# Altium PCB USD3.0.PcbDoc (part 2 of 3)
Units mm, origin at the board's own origin, x right, y up, seen from the top; angles counter-clockwise.
Board outline 70 x 100 mm, 4 copper layers (Layer 1, Layer 2, Layer 3, Layer 4), stack 0.566 mm thick; 249 components, 168 nets, 1040 pads, 789 vias.
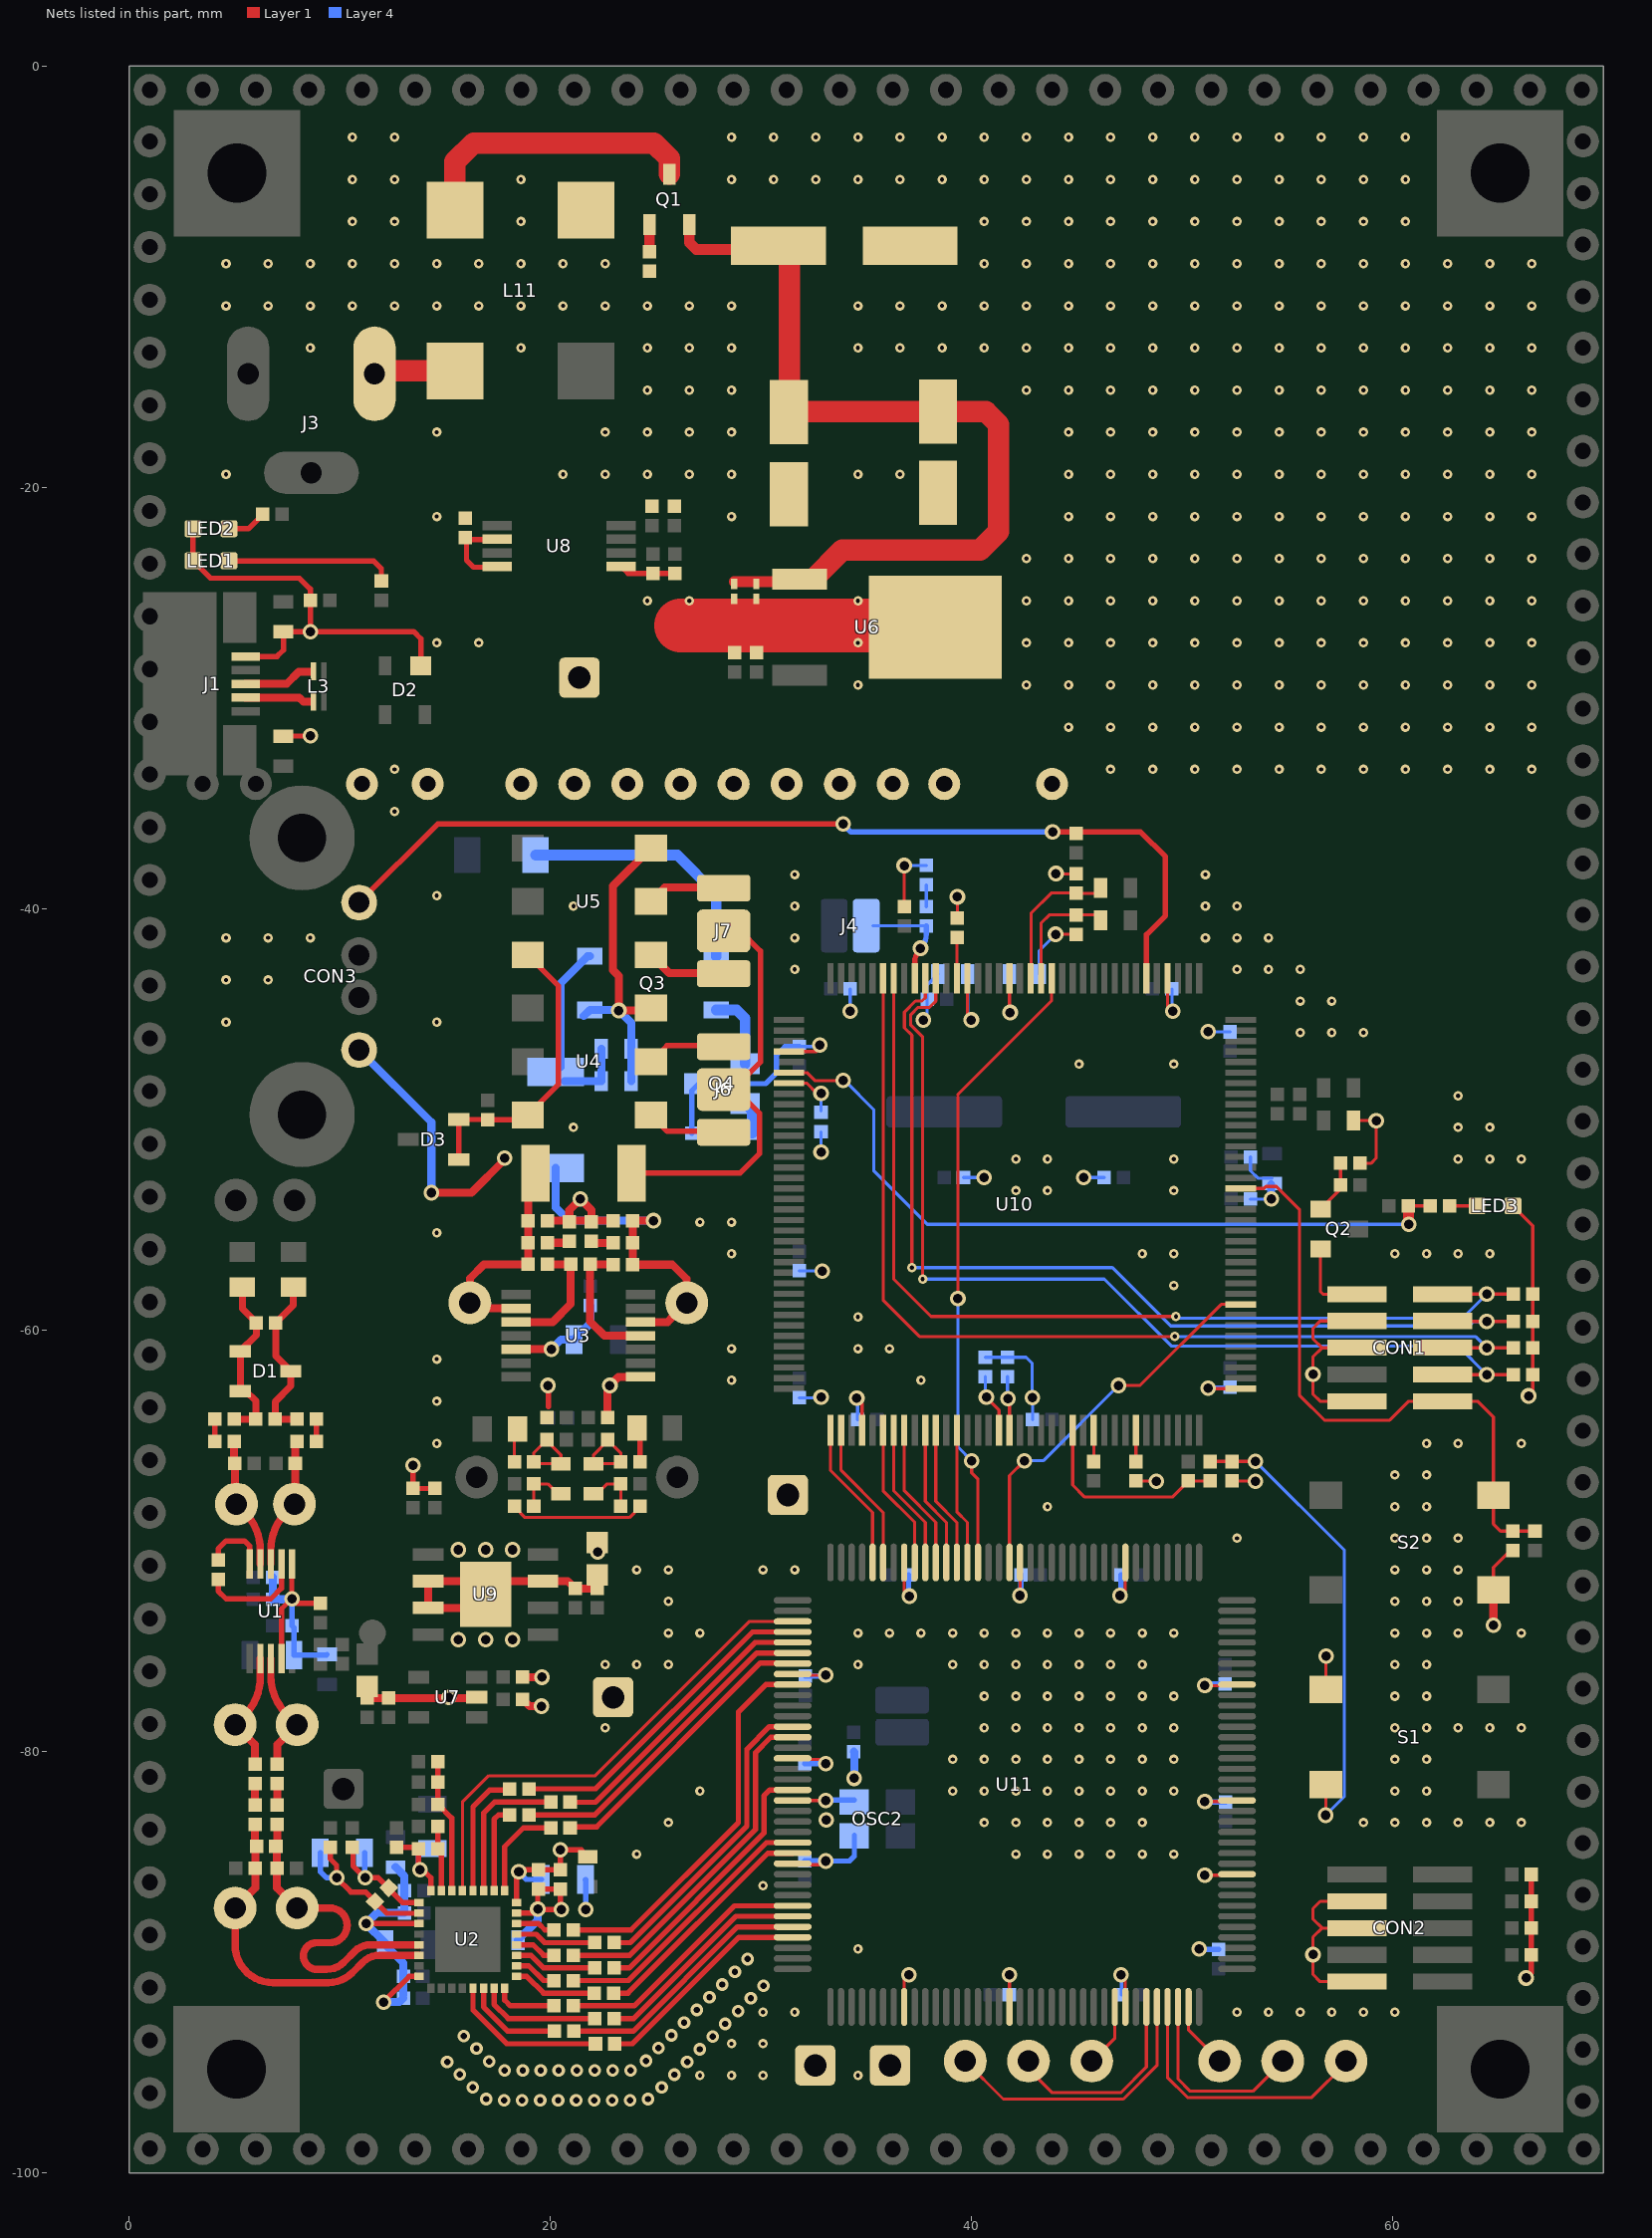
[diagram p4: the nets of this part, all layers, seen from the top]

## Via types
v1: diameter 0.45, hole 0.2, Layer 1 to Layer 4, 335 vias
v2: diameter 0.737, hole 0.45, Layer 1 to Layer 4, 194 vias
v3: diameter 0.45, hole 0.2, Layer 1 to Layer 4, tented both sides, 182 vias
v4: diameter 0.6, hole 0.3, Layer 1 to Layer 4, 42 vias
v5: diameter 0.75, hole 0.45, Layer 1 to Layer 4, tented both sides, 13 vias
v6: diameter 0.75, hole 0.45, Layer 1 to Layer 4, 13 vias
v7: diameter 0.737, hole 0.45, Layer 1 to Layer 4, tented both sides, 5 vias
v8: diameter 0.5, hole 0.2, Layer 1 to Layer 4, 4 vias
v9: diameter 0.75, hole 0.45, Layer 1 to Layer 4, tented bottom, 1 vias

## Nets (pads, with @x,y where several pads share a name; then routed paths per layer and width w, separated by ;. In a path a pad name is that pad's centre, name@x,y a point inside that pad or via, vN(x,y) a via of type N, cw(c..) or ccw(c..) an arc to the next point about the centre after c; other vN are vias at no path point)
ADC0: R70.2 U11.141 | length 10.5
  Layer 1 w0.254: R70.2@23.06,-93.875 23.9,-93.875 28.95,-88.825 U11.141@31.5,-88.825
ADC1: R71.2 U11.140 | length 12.4
  Layer 1 w0.254: R71.2@21.11,-93.275 23.929,-93.275 28.879,-88.325 U11.140@31.5,-88.325
ADC2: R72.2 U11.139 | length 10.5
  Layer 1 w0.254: R72.2@23.035,-92.675 23.957,-92.675 28.807,-87.825 U11.139@31.5,-87.825
ADC3: R73.2 U11.138 | length 12.4
  Layer 1 w0.254: R73.2@21.085,-92.075 23.986,-92.075 28.736,-87.325 U11.138@31.5,-87.325
ADC4: R74.2 U11.133 | length 11.2
  Layer 1 w0.254: R74.2@23.01,-91.475 23.682,-91.475 30.332,-84.825 U11.133@31.5,-84.825
ADC5: R75.2 U11.132 | length 13.1
  Layer 1 w0.254: R75.2@21.085,-90.875 23.71,-90.875 30.26,-84.325 U11.132@31.5,-84.325
ADC6: R76.2 U11.127 | length 13
  Layer 1 w0.254: R76.2@23.035,-90.275 23.739,-90.275 30.137,-83.877 30.137,-82.113 30.425,-81.825 U11.127@31.5,-81.825
ADC7: R77.2 U11.122 | length 16.8
  Layer 1 w0.254: R77.2@21.085,-89.675 23.768,-89.675 29.733,-83.71 29.733,-80.063 30.471,-79.325 U11.122@31.5,-79.325
ADC8: R78.2 U11.121 | length 14.8
  Layer 1 w0.254: R78.2@23.035,-89.075 23.796,-89.075 29.329,-83.542 29.329,-79.896 30.4,-78.825 U11.121@31.5,-78.825
ADC9: R79.2 U11.117 | length 18.3
  Layer 1 w0.254: R79.2@21.085,-88.475 23.825,-88.475 28.925,-83.375 28.925,-78.125 30.225,-76.825 U11.117@31.5,-76.825
ADC10: R80.2 U11.115 | length 13
  Layer 1 w0.254: R80.2@20.935,-83.575 22.2,-83.575 29.975,-75.8 U11.115@30.746,-75.8
ADC11: R81.2 U11.114 | length 15.7
  Layer 1 w0.254: R81.2@18.985,-83.008 22.117,-83.008 29.8,-75.325 U11.114@31.5,-75.325
ADC12: R82.2 U11.113 | length 13.7
  Layer 1 w0.254: R82.2@20.935,-82.392 20.952,-82.408 22.142,-82.408 29.725,-74.825 U11.113@31.5,-74.825
ADC13: R83.2 U11.112 | length 15.6
  Layer 1 w0.254: R83.2@18.985,-81.775 22.15,-81.775 29.6,-74.325 U11.112@31.5,-74.325
ADC_MODE: C26.1 R9.2 R10.1 U2.22 | length 6.3
  Layer 1 w0.254: R9.2@14.663,-80.438 R10.1@14.663,-82.513 15.313,-83.163 U2.22@15.313,-86.512
ADC_OTR: U2.21 U11.111 | length 23.4
  Layer 1 w0.15: U2.21@15.825,-86.6 15.825,-82.4 17.075,-81.15 22.125,-81.15 29.45,-73.825 U11.111@31.5,-73.825
ADC_REFB: C23.2 C24.2 C25.1 U2.25 | length 5.9
  Layer 1 w0.254: C25.1@10.603,-84.548 10.625,-84.57 10.625,-85.434 11.191,-86 v2(11.2,-86) 11.825,-86 12.3,-86.475 C23.2@12.325,-86.475 ; C23.2@12.3,-86.5 12.972,-87.172 U2.25@13.662,-87.172
  Layer 4 w0.254: C24.2@11.175,-84.8 11.175,-85.975 v2(11.2,-86)
ADC_REFT: C22.1 C23.1 C24.1 U2.26 | length 7.9
  Layer 1 w0.254: C22.1@9.553,-84.548 9.553,-85.103 9.85,-85.4 v2(9.85,-86) 10.525,-86.675 11.224,-86.675 C23.1@11.675,-87.125 12.23,-87.68 U2.26@13.662,-87.68
  Layer 4 w0.254: C24.1@9.075,-84.8 9.075,-85.7 9.375,-86 v2(9.85,-86)
ADC_SENSE: R11.1 R12.1 U2.23 | length 3.1
  Layer 1 w0.254: R12.1@14.663,-83.563 R11.1@14.663,-84.613 14.825,-84.775 U2.23@14.825,-86.6
ADC_VREF: C27.1 C28.1 R11.2 U2.24 | length 4.2
  Layer 1 w0.254: C28.1@12.703,-84.548 R11.2@13.678,-84.548 ; R11.2@13.743,-84.613 13.743,-85.546 v2(13.81,-85.613) 13.943,-85.613 14.323,-85.993 U2.24@14.323,-86.512
  Layer 4 w0.254: C27.1@13.743,-84.613 13.743,-85.546 v2(13.81,-85.613)
ADCA3V3: C14.1 C15.1 C16.1 C17.1 C18.1 L9.2 U2.27 U2.32 | length 14.2
  Layer 1 w0.254: v2(11.25,-88.175) U2.27@13.75,-88.175 ; v2(12.075,-91.9) 12.066,-91.9 13.291,-90.675 U2.32@13.75,-90.675
  Layer 4 w0.381: v2(12.075,-91.9) 12.831,-91.9 C16.1@13.018,-91.713 ; L9.2@12.65,-85.485 13.068,-85.903 C17.1@13.068,-86.613 C15.1@13.068,-87.663 11.762,-87.663 v2(11.25,-88.175) 12.153,-89.078 C14.1@12.153,-89.172 13.018,-90.037 C18.1@13.018,-90.663 C16.1@13.018,-91.572
ADCD3V3: C19.1 C20.1 C21.1 L10.2 U2.16 | length 7.3
  Layer 1 w0.254: U2.16@18.4,-87.175 v2@18.4,-85.625 ; v2@18.41,-85.615 C21.1@19.425,-85.615 C20.1@20.475,-85.615 v2(20.475,-84.675) 21.46,-84.675 L10.2@21.775,-84.99
  Layer 4 w0.254: v2(18.5,-85.7) 18.475,-85.7 18.85,-86.075 C19.1@19.575,-86.075
CLK_64MHZ: OSC2.CLK U11.128 | length 2.9
  Layer 1 w0.15: U11.128@31.5,-82.325 v2(33.075,-82.325)
  Layer 4 w0.254: v2@33.088,-82.312 OSC2.CLK@34.433,-82.312
CODING: CON3.VBUS R38.2 U10.6 | length 46.6
  Layer 1 w0.254: CON3.VBUS@10.919,-39.7 14.644,-35.975 v2(33.9,-35.975) ; v6(43.85,-36.35) 48.025,-36.35 49.202,-37.527 49.202,-40.323 48.3,-41.225 U10.6@48.3,-43.3
  Layer 4 w0.254: v2(33.9,-35.975) 34.275,-36.35 v6(43.85,-36.35)
DATA0: U10.73 U11.104 | length 7.1
  Layer 1 w0.15: U10.73@33.3,-64.75 33.3,-66.651 35.3,-68.651 U11.104@35.3,-71.025
DATA1: U10.74 U11.103 | length 7.1
  Layer 1 w0.15: U10.74@33.8,-64.75 33.8,-66.65 35.8,-68.65 U11.103@35.8,-71.025
DATA2: U10.78 U11.100 | length 6.9
  Layer 1 w0.15: U10.78@35.8,-64.75 35.8,-67.625 37.3,-69.125 U11.100@37.3,-71.025
DATA3: U10.79 U11.99 | length 6.9
  Layer 1 w0.15: U10.79@36.3,-64.75 36.3,-67.625 37.8,-69.125 U11.99@37.8,-71.025
DATA4: U10.80 U11.98 | length 6.9
  Layer 1 w0.15: U10.80@36.8,-64.75 36.8,-67.625 38.3,-69.125 U11.98@38.3,-71.025
DATA5: U10.82 U11.97 | length 6.7
  Layer 1 w0.15: U10.82@37.8,-64.75 37.8,-68.125 38.8,-69.125 U11.97@38.8,-71.025
DATA6: U10.83 U11.96 | length 6.7
  Layer 1 w0.15: U10.83@38.3,-64.75 38.3,-68.125 39.3,-69.125 U11.96@39.3,-71.025
DATA7: U10.85 U11.95 | length 6.5
  Layer 1 w0.15: U10.85@39.3,-64.75 39.3,-68.625 39.8,-69.125 U11.95@39.8,-71.025
DATACLK: U10.15 U11.94 | length 30
  Layer 1 w0.15: v2(39.35,-58.5) 39.35,-48.8 43.8,-44.35 U10.15@43.8,-43.3 ; v2(40,-66.2) 40,-66.775 40.3,-67.075 U11.94@40.3,-71.025
  Layer 4 w0.15: v2(39.35,-58.5) 39.35,-65.55 v2(40,-66.2)
DBGEN: J4.2 R41.1 U10.28 | length 5.8
  Layer 1 w0.15: v6@37.35,-41.875 v6@37.575,-41.65
  Layer 1 w0.254: U10.28@37.3,-43.3 37.3,-42.539 cw(c38.239,-42.539) v6(37.575,-41.875)
  Layer 4 w0.15: J4.2@35.322,-40.8 35.332,-40.81 R41.1@37.85,-40.81 ; v6@37.4,-41.825 37.45,-41.875 v6(37.575,-41.875)
  Layer 4 w0.254: v6@37.4,-41.825 v6@37.45,-41.875 ; v6(37.575,-41.875) ccw(c36.911,-41.211) 37.85,-41.211 R41.1@37.85,-40.81
DGND: C19.2 C20.2 C21.2 C30.2 C33.2 C34.2 C35.1 C36.1 C58.2 C59.2 C60.2 C61.2 C62.2 C63.2 C64.2 C65.2 C66.2 C67.2 C68.2 C69.2 C70.2 C71.2 C72.2 C73.2 C74.2 C75.2 C76.2 C77.2 C78.2 C79.2 C80.2 C81.2 C82.2 C83.2 C84.2 C85.2 C86.2 C87.2 CON1.GND CON1.GNDDetect CON2.GND CON2.GNDDetect CON3.GND J9.2 L12.2 L15.1 L16.2 L17.2 LED3.K OSC2.GND P2.1 P4.1 P5.1 P6.1 Q4.3 R18.2 R25.2 R30.2 R40.2 R42.2 R43.2 R44.2 R45.2 R46.2 R47.2 R49.2 R50.2 R51.2 R52.1 R53.2 R54.2 R55.2 R56.2 R59.2 R62.1 R69.1 S1.1 S2.1 U2.15 U3.5 U3.8 U10.4 U10.40 U10.76 U10.109 U11.8 U11.18 U11.29 U11.46 U11.53 U11.64 U11.80 U11.90 U11.101 U11.116 U11.124 U11.134 | length 160
  Layer 1 w0.15: U10.40@31.325,-46.775 32.625,-46.775 32.8,-46.6 v2(32.8,-46.475) ; U11.134@31.5,-85.375 32.9,-85.375 v2(33.075,-85.2) ; U11.124@31.5,-80.375 32.875,-80.375 v2(33.075,-80.575) ; U11.116@31.5,-76.375 v2(33.075,-76.375) ; v2(34.55,-63.225) 34.8,-63.475 U10.76@34.8,-64.75 ; U11.8@36.8,-92.175 v2@36.8,-90.675 ; U11.101@36.8,-71.075 36.8,-72.375 v2(37.05,-72.625) ; v6@36.81,-37.94 v6(36.8,-37.95) R47.2@36.8,-39.89 R47.2@36.82,-39.89 ; R49.2@39.325,-40.44 v6(39.325,-39.425) ; U11.18@41.8,-92.125 v2(41.8,-90.6) ; v2(42.3,-72.6) U11.90@42.3,-71.075 ; v6(43.985,-41.21) C71.2@44.975,-41.21 ; v6(44,-38.325) 44.015,-38.34 C72.2@44.975,-38.34 ; v2(47.05,-72.6) 47.3,-72.35 U11.80@47.3,-71.075 ; v2(47.1,-90.6) 47.3,-90.8 U11.29@47.3,-92.125 ; R59.2@47.8,-67.16 48.76,-67.16 v2(48.775,-67.175) ; U10.4@49.3,-43.3 49.3,-44.6 v2(49.55,-44.85) ; v2(51.075,-85.875) U11.46@52.6,-85.875 ; v2(51.075,-82.375) U11.53@52.6,-82.375 ; v2(51.075,-76.875) U11.64@52.6,-76.875 ; v2(51.225,-62.75) 51.25,-62.775 U10.109@52.775,-62.775 ; C87.2@52.375,-67.16 53.46,-67.16 v2(53.475,-67.175) ; S1.1@56.825,-77.065 v7(56.825,-75.475) ; L15.1@58.135,-50.05 v2(59.21,-50.05) 59.21,-51.84 58.975,-52.075 R62.1@58.435,-52.075 ; CON2.GNDDetect@58.3,-90.925 56.546,-90.925 56.207,-90.586 56.207,-88.814 56.636,-88.385 ; CON2.GND@58.3,-88.385 56.636,-88.385 ; CON2.GND@58.3,-87.115 56.556,-87.115 56.207,-87.464 56.207,-87.956 56.636,-88.385 ; CON1.GND@58.3,-60.835 56.636,-60.835 ; CON1.GND@58.3,-59.565 56.556,-59.565 56.207,-59.914 56.207,-60.406 56.636,-60.835 ; CON1.GNDDetect@58.35,-63.425 CON1.GNDDetect@58.3,-63.375 56.546,-63.375 56.207,-63.036 56.207,-61.264 56.636,-60.835 ; S2.1@64.775,-72.225 64.775,-71.26 C86.2@65.7,-70.335 ; LED3.K@65.7,-54.1 66.642,-55.042 R45.2@66.642,-58.289 R44.2@66.642,-59.589 R43.2@66.642,-60.839 R42.2@66.642,-62.114 v5@66.642,-62.933
  Layer 1 w0.254: U2.15@18.4,-87.675 19.225,-87.675 v2@19.4,-87.5 ; U3.5@18.506,-60.925 18.531,-60.9 U3.5@18.556,-60.925 ; v2(19.875,-62.625) 19.875,-62.555 19.915,-62.515 19.915,-63.625 ; C20.2@20.6,-86.66 C20.2@20.475,-86.535 ; v5(66.325,-90.75) 66.567,-90.508 R53.2@66.567,-89.664 R54.2@66.567,-88.389 R55.2@66.567,-87.114 R56.2@66.567,-85.839 ; v2@19.4,-87.5 v2(19.4,-87.475) ; v2@19.4,-87.5 19.375,-87.5 v2(19.4,-87.475) ; v2@19.4,-87.5 v2(20.525,-87.5) 20.525,-87.425 20.475,-87.375 C20.2@20.475,-86.535 ; v2(19.4,-87.475) 19.4,-86.76 19.3,-86.66 C21.2@19.425,-86.535 C20.2@20.475,-86.535
  Layer 1 w0.381: v2(14.35,-53.475) 16.25,-53.475 17.825,-51.9 v2(17.825,-51.825) ; U3.5@18.556,-60.925 18.581,-60.9 v2(20.05,-60.9) ; R25.2@19.885,-54.8 C35.1@20.9,-54.8 ; C35.1@20.9,-54.865 C35.1@20.9,-54.8 ; C36.1@21.95,-54.865 C36.1@21.95,-54.8 ; C30.2@22.71,-64.15 22.71,-62.846 cw(c22.966,-62.846) 22.785,-62.665 v2(22.825,-62.625) 23.235,-62.215 U3.8@24.275,-62.215 ; R30.2@22.985,-54.8 C36.1@21.95,-54.8 ; v7(64.775,-74) S2.1@64.775,-72.332 ; C35.1@20.9,-54.8 20.9,-54.3 v2(21.425,-53.775) 21.95,-54.3 C36.1@21.95,-54.8 ; C35.1@20.9,-54.8 C36.1@21.95,-54.8
  Layer 4 w0.15: C63.2@31.825,-63.21 32.815,-63.21 v2(32.85,-63.175) ; C62.2@31.825,-57.185 32.885,-57.185 v2(32.9,-57.2) ; C61.2@31.825,-46.54 32.86,-46.54 32.8,-46.48 v2(32.8,-46.475) ; v2(32.85,-51.55) R40.2@32.85,-50.585 ; v2@33.035,-76.415 v2(33.075,-76.375) ; v2@33.065,-85.19 v2(33.075,-85.2) ; v2@33.065,-80.585 v2(33.075,-80.575) ; v2(34.225,-44.85) 34.235,-44.84 C60.2@34.235,-43.8 ; v2(34.55,-63.225) 34.59,-63.265 C64.2@34.59,-64.25 ; v6(36.8,-37.95) 36.81,-37.94 R46.2@37.85,-37.94 ; v2@37.01,-72.585 v2(37.05,-72.625) ; v6(37.71,-45.275) 37.85,-45.275 37.89,-45.235 37.89,-43.6 L17.2@38.39,-43.1 ; C74.2@39.61,-52.75 v2(40.585,-52.75) ; R51.2@40.65,-61.29 42.59,-61.29 42.875,-61.575 v2(42.875,-63.2) 42.89,-63.215 C65.2@42.89,-64.25 ; C85.2@41.785,-91.55 v2@41.785,-90.615 ; v2(42.3,-72.6) v2@42.34,-72.56 ; L16.2@43.21,-43.1 43.21,-41.985 v6(43.985,-41.21) ; v2(45.31,-52.75) C73.2@46.29,-52.75 ; v2(47.05,-72.6) v2@47.09,-72.56 ; C84.2@47.115,-91.55 v2@47.115,-90.615 ; C58.2@49.51,-43.8 49.51,-44.81 v2(49.55,-44.85) ; v2(51.225,-62.75) 51.265,-62.71 C66.2@52.275,-62.71 ; v2(51.225,-45.825) 51.24,-45.84 C69.2@52.275,-45.84 ; C67.2@53.235,-53.775 v2(54.225,-53.775) ; C68.2@53.235,-51.775 53.235,-52.435 53.585,-52.785 C70.2@54.275,-52.785
  Layer 4 w0.254: v2(21.675,-87.5) 21.675,-86.125 21.65,-86.1 C19.2@21.675,-86.075 ; R69.1@26.715,-50.65 26.715,-48.635 Q4.3@27.05,-48.3 30.225,-48.3 30.725,-47.8 30.725,-46.95 31.135,-46.54 C61.2@31.825,-46.54 ; C83.2@32.075,-85.19 v2@33.065,-85.19 ; C82.2@32.075,-80.585 v2@33.065,-80.585 ; C81.2@32.1,-76.415 v2@33.035,-76.415 ; v2(33.075,-85.2) 34.2,-85.2 34.433,-84.967 OSC2.GND@34.433,-83.988 ; v2@37.01,-72.585 C80.2@37.01,-71.625 ; v2@42.34,-72.56 C79.2@42.34,-71.625 ; v2@47.09,-72.56 C75.2@47.09,-71.625 ; v2@50.815,-89.39 C76.2@51.725,-89.39 ; v2@51.09,-82.39 C77.2@52.05,-82.39 ; v2@51.165,-76.785 C78.2@52.025,-76.785
  Layer 4 w0.381: CON3.GND@10.919,-46.7 14.35,-50.131 v2(14.35,-53.475) ; L12.2@18.46,-88.95 19.4,-88.01 v2(19.4,-87.475) ; v2(20.05,-60.9) 20.5,-60.45 C33.2@21.125,-60.45 21.9,-59.675 C34.2@21.9,-58.835 ; R52.1@34.4,-80.01 34.425,-80.035 v2(34.425,-81.275) ; v2(54.225,-53.775) C70.2@54.225,-53.085
  other v2: 37.025,-90.6 50.8,-89.375 33.1,-83.25 22.25,-70.525
  other v3: 27.1,-95.375 28.6,-95.375 30.1,-95.375 34.6,-95.375 28.6,-93.875 30.1,-93.875 30.1,-92.375 31.6,-92.375 52.6,-92.375 54.1,-92.375 55.6,-92.375 57.1,-92.375 58.6,-92.375 60.1,-92.375 34.6,-89.375 30.1,-86.375 24.1,-84.875 42.1,-84.875 43.6,-84.875 45.1,-84.875 46.6,-84.875 48.1,-84.875 49.6,-84.875 25.6,-83.375 40.6,-83.375 42.1,-83.375 43.6,-83.375 45.1,-83.375 46.6,-83.375 48.1,-83.375 58.6,-83.375 60.1,-83.375 61.6,-83.375 63.1,-83.375 64.6,-83.375 66.1,-83.375 27.1,-81.875 39.1,-81.875 40.6,-81.875 42.1,-81.875 43.6,-81.875 45.1,-81.875 46.6,-81.875 48.1,-81.875 49.6,-81.875 60.1,-81.875 61.6,-81.875 39.1,-80.375 40.6,-80.375 42.1,-80.375 43.6,-80.375 45.1,-80.375 46.6,-80.375 48.1,-80.375 49.6,-80.375 60.1,-80.375 61.6,-80.375 22.6,-78.875 40.6,-78.875 42.1,-78.875 43.6,-78.875 45.1,-78.875 46.6,-78.875 48.1,-78.875 49.6,-78.875 60.1,-78.875 61.6,-78.875 63.1,-78.875 64.6,-78.875 66.1,-78.875 40.6,-77.375 42.1,-77.375 43.6,-77.375 45.1,-77.375 46.6,-77.375 48.1,-77.375 49.6,-77.375 60.1,-77.375 61.6,-77.375 22.6,-75.875 24.1,-75.875 25.6,-75.875 34.6,-75.875 39.1,-75.875 40.6,-75.875 42.1,-75.875 43.6,-75.875 45.1,-75.875 46.6,-75.875 48.1,-75.875 60.1,-75.875 61.6,-75.875 25.6,-74.375 27.1,-74.375 34.6,-74.375 36.1,-74.375 37.6,-74.375 39.1,-74.375 40.6,-74.375 42.1,-74.375 43.6,-74.375 45.1,-74.375 46.6,-74.375 48.1,-74.375 49.6,-74.375 60.1,-74.375 61.6,-74.375 63.1,-74.375 66.1,-74.375 25.6,-72.875 60.1,-72.875 61.6,-72.875 63.1,-72.875 24.1,-71.375 25.6,-71.375 30.1,-71.375 31.6,-71.375 60.1,-71.375 61.6,-71.375 63.1,-71.375 52.6,-69.875 60.1,-69.875 61.6,-69.875 63.1,-69.875 43.6,-68.375 60.1,-68.375 61.6,-68.375 60.1,-66.875 61.6,-66.875 61.6,-65.375 63.1,-65.375 66.1,-65.375 28.6,-62.375 37.6,-62.375 28.6,-60.875 34.6,-60.875 36.1,-60.875 34.6,-59.375 49.6,-57.875 28.6,-56.375 48.1,-56.375 49.6,-56.375 60.1,-56.375 61.6,-56.375 63.1,-56.375 64.6,-56.375 27.1,-54.875 28.6,-54.875 42.1,-53.375 43.6,-53.375 49.6,-53.375 42.1,-51.875 43.6,-51.875 49.6,-51.875 63.1,-51.875 64.6,-51.875 66.1,-51.875 21.1,-50.375 63.1,-50.375 64.6,-50.375 63.1,-48.875 45.1,-47.375 49.6,-47.375 55.6,-45.875 57.1,-45.875 58.6,-45.875 55.6,-44.375 57.1,-44.375 31.6,-42.875 52.6,-42.875 54.1,-42.875 55.6,-42.875 31.6,-41.375 51.1,-41.375 52.6,-41.375 54.1,-41.375 21.1,-39.875 31.6,-39.875 51.1,-39.875 52.6,-39.875 31.6,-38.375 51.1,-38.375
  other v4: 17.807,-96.563 18.661,-96.563 19.515,-96.563 20.369,-96.563 21.223,-96.563 22.077,-96.563 22.931,-96.563 23.785,-96.563 16.955,-96.497 24.637,-96.501 16.308,-95.941 25.286,-95.946 25.89,-95.343 15.704,-95.337 17.832,-95.137 18.686,-95.137 19.54,-95.137 20.394,-95.137 21.248,-95.137 22.102,-95.137 22.956,-95.137 23.81,-95.137 15.1,-94.733 26.494,-94.739 17.093,-94.71 24.533,-94.684 27.098,-94.135 16.489,-94.106 25.137,-94.08 27.702,-93.531 15.885,-93.502 25.741,-93.476 28.306,-92.927 26.345,-92.872 28.91,-92.323 26.949,-92.268 29.513,-91.719 27.553,-91.664 30.117,-91.115 28.157,-91.061 28.761,-90.457 29.364,-89.853
  other v5: 56.207,-89.639 66.45,-63.125 56.207,-62.089
DM: J1.2 L3.1 | length 3.2
  Layer 1 w0.381: J1.2@5.525,-29.975 8.075,-29.975 8.275,-30.175 L3.1@8.675,-30.175
DP: J1.3 L3.2 | length 3.4
  Layer 1 w0.381: J1.3@5.525,-29.325 7.475,-29.325 8.05,-28.75 L3.2@8.675,-28.75
FILTERED_N: C3.2 R66.1 TP4.1 U1.4 | length 5.7
  Layer 1 w0.35: TP4.1@5.484,-68.644 cw(c3.688,-70.44) 6.228,-70.44 U1.4@6.228,-71.099
  Layer 1 w0.381: R66.1@4.985,-66.295 C3.2@4.985,-65.275 ; TP4.1@5.015,-68.175 R66.1@5.015,-66.325 ; TP4.1@5.095,-68.255 TP4.1@5.211,-68.139
FILTERED_P: C1.2 R65.1 TP2.1 U1.3 | length 5.8
  Layer 1 w0.35: U1.3@6.728,-71.099 6.728,-70.424 cw(c9.268,-70.424) TP2.1@7.472,-68.628
  Layer 1 w0.381: TP2.1@7.845,-68.255 7.729,-68.139 7.885,-67.983 R65.1@7.885,-66.325 7.885,-65.355 C1.2@7.965,-65.275
GAINED_N: C6.2 R6.2 R86.1 TP9.1 U2.30 | length 16.2
  Layer 1 w0.35: TP9.1@5.028,-87.428 5.028,-89.178 ccw(c6.825,-89.178) 6.825,-90.975 9.448,-90.975 ccw(c9.448,-89.341) 10.604,-90.496 11.089,-90.011 cw(c11.9,-90.822) 11.9,-89.675 U2.30@13.75,-89.675
  Layer 1 w0.381: TP9.1@5.028,-87.428 5.988,-86.468 5.988,-85.553 C6.2@5.988,-84.558 ; C6.2@5.978,-84.438 R6.2@5.978,-83.463
GAINED_P: C6.1 R4.2 R85.1 TP5.1 U2.29 | length 16.2
  Layer 1 w0.33: TP5.1@7.978,-87.428 TP5.1@8.068,-87.428
  Layer 1 w0.35: TP5.1@8.068,-87.428 9.528,-87.428 cw(c9.528,-88.25) 10.35,-88.25 cw(c9.525,-88.25) 9.525,-89.075 8.9,-89.075 ccw(c8.9,-89.7) 8.275,-89.7 ccw(c8.919,-89.7) 8.919,-90.344 9.37,-90.344 ccw(c9.37,-89.17) 10.2,-90 10.709,-89.491 cw(c11.472,-90.255) 11.472,-89.175 U2.29@13.75,-89.175
  Layer 1 w0.381: C6.1@7.018,-84.558 7.018,-85.553 7.018,-86.468 TP5.1@7.978,-87.428 ; C6.1@7.028,-84.438 R4.2@7.028,-83.463
GND: C37.2 C38.2 C39.2 C40.2 C41.2 C42.2 C43.2 C44.2 C45.2 C46.2 C47.2 C48.2 C49.2 C50.2 C51.2 C52.2 C53.2 C54.2 C55.2 D2.1 J1.5 J2.1 J9.1 L6.2 L7.2 L11.3 LED1.K LED2.K P1.1 pad.2@11.056,-34.075 pad.2@14.175,-34.075 pad.2@18.618,-34.075 pad.2@21.138,-34.075 pad.2@23.658,-34.075 pad.2@26.179,-34.075 pad.2@28.699,-34.075 pad.2@31.219,-34.075 pad.2@33.74,-34.075 pad.2@36.26,-34.075 pad.2@38.7,-34.075 pad.2@43.821,-34.075 R32.2 R33.2 R34.2 U6.4 U7.2 U8.5 U9.3 U9.6 U9.7 U9.9 | length 59.7
  Layer 1 w0.254: LED2.K@3.035,-21.955 LED1.K@3.035,-23.48 3.86,-24.305 8.085,-24.305 8.6,-24.82 v2@8.6,-26.839 ; J1.5@5.525,-28.025 7.02,-28.025 7.325,-27.72 L7.2@7.325,-26.845 8.595,-26.845 v2(8.6,-26.85) v2@8.6,-26.839 ; L6.2@7.325,-31.8 v2@8.595,-31.8 ; v2(13.475,-66.425) C52.2@13.475,-67.515 C53.2@14.525,-67.515 ; D2.1@13.85,-28.47 13.85,-27.175 13.514,-26.839 v2@8.6,-26.839 ; R34.2@16.005,-21.46 R34.2@16.015,-21.45 ; U8.5@23.365,-23.75 23.695,-24.08 C45.2@24.865,-24.08 C47.2@25.915,-24.08
  Layer 1 w0.381: C51.2@11.3,-77.465 C50.2@12.325,-77.465 16.46,-77.465 U7.2@16.5,-77.425 ; C48.2@18.685,-77.525 19.01,-77.85 v2(19.575,-77.85) ; C49.2@18.685,-76.475 v2(19.6,-76.475) ; J9.1@22.225,-71.712 C55.2@22.225,-72.265 C54.2@21.175,-72.265 20.825,-71.915 U9.3@19.65,-71.915 17.56,-71.915 U9.9@16.925,-72.55 ; U9.9@16.925,-72.55 16.29,-73.185 U9.7@14.2,-73.185 U9.6@14.2,-71.915 16.29,-71.915 U9.9@16.925,-72.55
  Layer 1 w0.508: C51.2@11.3,-77.465 J2.1@11.3,-76.887
  Layer 1 w2.54: 26.2,-26.55 U6.4@38.1,-26.55
  other v1: 14.6,-65.375 14.6,-63.375 14.6,-61.375 14.6,-55.375 4.6,-45.375 14.6,-45.375 4.6,-43.375 6.6,-43.375 4.6,-41.375 6.6,-41.375 8.6,-41.375 14.6,-39.375 12.6,-35.375 12.6,-33.375 46.6,-33.375 48.6,-33.375 50.6,-33.375 52.6,-33.375 54.6,-33.375 56.6,-33.375 58.6,-33.375 60.6,-33.375 62.6,-33.375 64.6,-33.375 66.6,-33.375 44.6,-31.375 46.6,-31.375 48.6,-31.375 50.6,-31.375 52.6,-31.375 54.6,-31.375 56.6,-31.375 58.6,-31.375 60.6,-31.375 62.6,-31.375 64.6,-31.375 66.6,-31.375 34.6,-29.375 42.6,-29.375 44.6,-29.375 46.6,-29.375 48.6,-29.375 50.6,-29.375 52.6,-29.375 54.6,-29.375 56.6,-29.375 58.6,-29.375 60.6,-29.375 62.6,-29.375 64.6,-29.375 66.6,-29.375 14.6,-27.375 16.6,-27.375 34.6,-27.375 42.6,-27.375 44.6,-27.375 46.6,-27.375 48.6,-27.375 50.6,-27.375 52.6,-27.375 54.6,-27.375 56.6,-27.375 58.6,-27.375 60.6,-27.375 62.6,-27.375 64.6,-27.375 66.6,-27.375 24.6,-25.375 26.6,-25.375 34.6,-25.375 42.6,-25.375 44.6,-25.375 46.6,-25.375 48.6,-25.375 50.6,-25.375 52.6,-25.375 54.6,-25.375 56.6,-25.375 58.6,-25.375 60.6,-25.375 62.6,-25.375 64.6,-25.375 66.6,-25.375 42.6,-23.375 44.6,-23.375 46.6,-23.375 48.6,-23.375 50.6,-23.375 52.6,-23.375 54.6,-23.375 56.6,-23.375 58.6,-23.375 60.6,-23.375 62.6,-23.375 64.6,-23.375 66.6,-23.375 14.6,-21.375 28.6,-21.375 44.6,-21.375 46.6,-21.375 48.6,-21.375 50.6,-21.375 52.6,-21.375 54.6,-21.375 56.6,-21.375 58.6,-21.375 60.6,-21.375 62.6,-21.375 64.6,-21.375 66.6,-21.375 4.6,-19.375 20.6,-19.375 22.6,-19.375 24.6,-19.375 26.6,-19.375 28.6,-19.375 34.6,-19.375 36.6,-19.375 44.6,-19.375 46.6,-19.375 48.6,-19.375 50.6,-19.375 52.6,-19.375 54.6,-19.375 56.6,-19.375 58.6,-19.375 60.6,-19.375 62.6,-19.375 64.6,-19.375 66.6,-19.375 14.6,-17.375 22.6,-17.375 24.6,-17.375 26.6,-17.375 28.6,-17.375 44.6,-17.375 46.6,-17.375 48.6,-17.375 50.6,-17.375 52.6,-17.375 54.6,-17.375 56.6,-17.375 58.6,-17.375 60.6,-17.375 62.6,-17.375 64.6,-17.375 66.6,-17.375 24.6,-15.375 26.6,-15.375 28.6,-15.375 42.6,-15.375 44.6,-15.375 46.6,-15.375 48.6,-15.375 50.6,-15.375 52.6,-15.375 54.6,-15.375 56.6,-15.375 58.6,-15.375 60.6,-15.375 62.6,-15.375 64.6,-15.375 66.6,-15.375 8.6,-13.375 18.6,-13.375 24.6,-13.375 26.6,-13.375 28.6,-13.375 34.6,-13.375 36.6,-13.375 38.6,-13.375 40.6,-13.375 42.6,-13.375 44.6,-13.375 46.6,-13.375 48.6,-13.375 50.6,-13.375 52.6,-13.375 54.6,-13.375 56.6,-13.375 58.6,-13.375 60.6,-13.375 62.6,-13.375 64.6,-13.375 66.6,-13.375 4.6,-11.375 6.6,-11.375 8.6,-11.375 10.6,-11.375 12.6,-11.375 14.6,-11.375 16.6,-11.375 18.6,-11.375 20.6,-11.375 22.6,-11.375 24.6,-11.375 26.6,-11.375 28.6,-11.375 34.6,-11.375 36.6,-11.375 38.6,-11.375 40.6,-11.375 42.6,-11.375 44.6,-11.375 46.6,-11.375 48.6,-11.375 50.6,-11.375 52.6,-11.375 54.6,-11.375 56.6,-11.375 58.6,-11.375 60.6,-11.375 62.6,-11.375 64.6,-11.375 66.6,-11.375 4.6,-9.375 6.6,-9.375 8.6,-9.375 10.6,-9.375 12.6,-9.375 14.6,-9.375 16.6,-9.375 18.6,-9.375 20.6,-9.375 22.6,-9.375 40.6,-9.375 42.6,-9.375 44.6,-9.375 46.6,-9.375 48.6,-9.375 50.6,-9.375 52.6,-9.375 54.6,-9.375 56.6,-9.375 58.6,-9.375 60.6,-9.375 62.6,-9.375 64.6,-9.375 66.6,-9.375 10.6,-7.375 12.6,-7.375 18.6,-7.375 40.6,-7.375 42.6,-7.375 44.6,-7.375 46.6,-7.375 48.6,-7.375 50.6,-7.375 52.6,-7.375 54.6,-7.375 56.6,-7.375 58.6,-7.375 60.6,-7.375 10.6,-5.375 12.6,-5.375 18.6,-5.375 28.6,-5.375 30.6,-5.375 32.6,-5.375 34.6,-5.375 36.6,-5.375 38.6,-5.375 40.6,-5.375 42.6,-5.375 44.6,-5.375 46.6,-5.375 48.6,-5.375 50.6,-5.375 52.6,-5.375 54.6,-5.375 56.6,-5.375 58.6,-5.375 60.6,-5.375 10.6,-3.375 12.6,-3.375 28.6,-3.375 30.6,-3.375 32.6,-3.375 34.6,-3.375 36.6,-3.375 38.6,-3.375 40.6,-3.375 42.6,-3.375 44.6,-3.375 46.6,-3.375 48.6,-3.375 50.6,-3.375 52.6,-3.375 54.6,-3.375 56.6,-3.375 58.6,-3.375 60.6,-3.375
  other v2: 15.175,-77.425 15.625,-74.7 16.925,-74.7 18.2,-74.7 15.625,-70.425 16.925,-70.425 18.2,-70.425 8.6,-31.795
HREF: U10.117 U11.91 | length 18.5
  Layer 1 w0.15: U11.91@41.8,-71.025 41.8,-66.9 v2(42.5,-66.2) ; v2(46.975,-62.625) 48,-62.625 51.85,-58.775 U10.117@52.775,-58.775
  Layer 4 w0.15: v2(42.5,-66.2) 43.4,-66.2 v2(46.975,-62.625) v2@46.975,-62.704
M4_TCK: CON1.TCK R44.1 U10.27 | length 46.3
  Layer 1 w0.15: v1(37.16,-57.035) 37.16,-45.998 36.81,-45.648 36.81,-44.902 37.337,-44.375 37.65,-44.375 37.8,-44.225 U10.27@37.8,-43.3 ; CON1.TCK@62.388,-59.589 v5(64.457,-59.589) R44.1@65.722,-59.589
  Layer 4 w0.15: v1(37.16,-57.035) 46.685,-57.035 49.45,-59.8 63.625,-59.8 63.836,-59.589 v5(64.457,-59.589)
M4_TDI: CON1.TDI R42.1 U10.26 | length 47.3
  Layer 1 w0.15: v1(37.675,-57.575) 37.675,-46.089 37.11,-45.524 37.11,-45.026 37.461,-44.675 38.002,-44.675 38.3,-44.377 U10.26@38.3,-43.3 ; CON1.TDI@62.373,-62.114 v5(64.457,-62.114) R42.1@65.722,-62.114
  Layer 4 w0.15: v1(37.675,-57.575) 46.3,-57.575 49.475,-60.75 63.093,-60.75 v5(64.457,-62.114)
M4_TDO: CON1.TDO R43.1 U10.31 | length 48.2
  Layer 1 w0.15: U10.31@35.8,-43.3 35.8,-58.575 37.525,-60.3 v1(49.65,-60.3) ; CON1.TDO@62.368,-60.839 v5(64.457,-60.839) R43.1@65.722,-60.839
  Layer 4 w0.15: v1(49.65,-60.3) 63.918,-60.3 v5(64.457,-60.839)
M4_TMS: CON1.TMS R45.1 U10.30 | length 47
  Layer 1 w0.15: U10.30@36.3,-43.3 36.3,-57.575 38.075,-59.35 v1(49.7,-59.35) ; CON1.TMS@62.37,-58.289 v5(64.457,-58.289) R45.1@65.722,-58.289
  Layer 4 w0.15: v1(49.7,-59.35) 49.775,-59.425 63.321,-59.425 v5(64.457,-58.289)
NetC1_1: C1.1 R1.2 | length 1.1
  Layer 1 w0.254: C1.1@8.885,-65.275 R1.2@8.885,-64.225
NetC2_1: C2.1 D1.3 L1.2 R1.1 R2.1 | length 8.4
  Layer 1 w0.33: L1.2@7.795,-57.85 7.795,-58.815 C2.1@6.96,-59.65 6.96,-61.235 D1.3@7.675,-61.95 7.675,-62.65 6.93,-63.395 R2.1@6.93,-64.23 7.96,-64.23 R1.1@7.965,-64.225
NetC2_2: C2.2 D1.1 D1.2 L2.2 R2.2 R3.1 | length 8.4
  Layer 1 w0.33: R3.1@4.985,-64.225 4.99,-64.23 R2.2@6.01,-64.23 6.01,-63.36 5.55,-62.9 D1.2@5.275,-62.9 D1.1@5.275,-61 6.04,-60.235 C2.2@6.04,-59.65 5.375,-58.985 L2.2@5.375,-57.925
NetC3_1: C3.1 R3.2 | length 1
  Layer 1 w0.254: C3.1@4.065,-65.275 R3.2@4.065,-64.225
NetC4_1: C4.1 TP6.1 U1.8 | length 5.8
  Layer 1 w0.35: U1.8@6.728,-75.599 6.728,-76.426 ccw(c9.268,-76.426) 7.472,-78.222 TP6.1@7.978,-78.728
  Layer 1 w0.381: C4.1@7.028,-80.593 7.028,-79.678 TP6.1@7.978,-78.728
NetC4_2: C4.2 R4.1 | length 1
  Layer 1 w0.381: R4.1@7.028,-82.543 C4.2@7.028,-81.513
NetC7_1: C7.1 TP8.1 U1.7 | length 5.8
  Layer 1 w0.35: TP8.1@5.028,-78.728 5.484,-78.272 ccw(c3.688,-76.476) 6.228,-76.476 U1.7@6.228,-75.599
  Layer 1 w0.381: TP8.1@5.028,-78.728 5.978,-79.678 C7.1@5.978,-80.593
NetC7_2: C7.2 R6.1 | length 1
  Layer 1 w0.381: R6.1@5.978,-82.543 C7.2@5.978,-81.513
NetC9_1: C9.1 C10.1 C11.1 C12.1 L8.2 R5.1 U1.1 U1.9 | length 12
  Layer 1 w0.254: U1.9@7.236,-75.407 7.236,-73.226 7.719,-72.744 U1.1@7.719,-71.292 ; v2(7.728,-72.753) 7.943,-72.968 R5.1@9.078,-72.968
  Layer 4 w0.254: v2(7.728,-72.753) 7.728,-74.018 C12.1@7.735,-74.025 7.825,-74.115 C11.1@7.825,-75.425 9.365,-75.425 L8.2@9.4,-75.39
  Layer 4 w0.381: C9.1@6.813,-71.728 C10.1@6.813,-72.778 v2@7.703,-72.778
NetC29_1: C29.1 R14.1 R17.1 | length 4.1
  Layer 1 w0.15: R14.1@19.21,-66.25 19.3,-66.34 C29.1@20.5,-66.34 20.5,-65.925 19.84,-65.265 R17.1@19.84,-65.2 19.21,-65.83 R14.1@19.21,-66.25
NetC29_2: C29.2 R13.2 R16.1 | length 2.6
  Layer 1 w0.15: R16.1@19.21,-68.35 19.21,-67.825 R13.2@19.21,-67.3 19.875,-67.3 20.335,-67.76 C29.2@20.5,-67.76 ; C29.2@20.435,-67.825 C29.2@20.46,-67.8
NetC32_1: C32.1 R20.2 R22.1 | length 4.1
  Layer 1 w0.15: C32.1@22.05,-66.34 22.05,-65.925 22.71,-65.265 R20.2@22.71,-65.2 23.34,-65.83 R22.1@23.34,-66.25 23.25,-66.34 C32.1@22.05,-66.34
NetC32_2: C32.2 R19.2 R21.2 | length 2.5
  Layer 1 w0.15: C32.2@22.05,-67.76 22.24,-67.76 22.7,-67.3 R21.2@23.34,-67.3 R19.2@23.34,-68.35
NetC35_2: C35.2 R24.1 | length 0.9
  Layer 1 w0.381: R24.1@19.935,-55.85 C35.2@20.835,-55.85
NetC36_2: C36.2 R29.2 | length 1
  Layer 1 w0.381: C36.2@22.02,-55.855 R29.2@22.99,-55.855
NetC37_1: C37.1 C38.1 C39.1 C40.1 C41.1 Q1.2 U6.1 | length 41.1
  Layer 1 w0.254: U6.1@31.515,-24.465 U6.1@31.585,-24.395
  Layer 1 w0.508: Q1.2@26.6,-7.525 26.6,-8.375 26.925,-8.7 C37.1@31,-8.7 ; C40.1@28.725,-24.465 U6.1@31.515,-24.465
  Layer 1 w1.016: C37.1@31,-8.7 31.35,-9.05 31.35,-16.4 C39.1@38.4,-16.4 40.675,-16.4 41.275,-17 41.275,-22.1 40.4,-22.975 33.85,-22.975 U6.1@32.475,-24.35
NetC71_1: C71.1 L18.2 U10.16 | length 5.7
  Layer 1 w0.15: U10.16@43.3,-43.3 43.3,-40.675 43.685,-40.29 C71.1@44.975,-40.29 45.855,-40.29 L18.2@46.115,-40.55
NetC72_1: C72.1 L19.2 U10.17 | length 6.9
  Layer 1 w0.15: U10.17@42.8,-43.3 42.825,-43.275 42.825,-40.202 43.777,-39.25 44.965,-39.25 C72.1@44.975,-39.26 45.855,-39.26 L19.2@46.115,-39
NetC87_1: C87.1 R58.2 S1.3 | length 22.5
  Layer 1 w0.15: R58.2@51.35,-66.24 51.365,-66.225 v2(53.475,-66.225) ; v7@56.825,-83 S1.3@56.825,-81.565
  Layer 4 w0.15: v2(53.475,-66.225) 57.7,-70.45 57.7,-82.125 v7(56.8,-83.025)
NetCON1_VTref: CON1.VTref Q2.2 | length 3.8
  Layer 1 w0.15: Q2.2@56.565,-56.15 56.565,-58.18 56.68,-58.295 CON1.VTref@58.3,-58.295
NetD3_1: D3.1 D3.2 R64.1 U4.6 U5.6 | length 14.1
  Layer 1 w0.254: D3.1@15.65,-51.9 D3.2@15.65,-50 17.015,-50 R64.1@17.025,-50.01 18.705,-50.01 U4.6@18.925,-49.79 20.375,-48.34 20.375,-43.64 U5.6@18.925,-42.19
NetJ6_1: J6.1 U4.1 | length 3.3
  Layer 1 w0.254: U4.1@24.775,-49.79 25.542,-50.557 J6.1@27.75,-50.557
NetJ6_2: J6.2 J7.2 R26.2 | length 20.7
  Layer 1 w0.254: R26.2@23.85,-52.55 29,-52.55 29.925,-51.625 29.925,-49.7 28.75,-48.525 J6.2@27.75,-48.525 ; J7.2@27.775,-41.025 29,-41.025 29.975,-42 29.975,-47.275 J6.2@28.725,-48.525
NetJ6_3: J6.3 U4.2 | length 3.3
  Layer 1 w0.254: U4.2@24.775,-47.25 25.532,-46.493 J6.3@27.75,-46.493
NetJ7_1: J7.1 U5.1 | length 3.4
  Layer 1 w0.381: U5.1@24.775,-42.19 25.642,-43.057 J7.1@27.775,-43.057
NetJ7_3: J7.3 U5.2 | length 3.3
  Layer 1 w0.381: U5.2@24.775,-39.65 25.432,-38.993 J7.3@27.775,-38.993
NetL4_1: L4.1 R14.2 | length 1.6
  Layer 1 w0.15: R14.2@18.29,-66.25 18.29,-64.848 L4.1@18.437,-64.7
NetL5_1: L5.1 R22.2 | length 1.7
  Layer 1 w0.254: L5.1@24.113,-64.65 24.26,-64.798 R22.2@24.26,-66.25
NetL11_4: L11.4 Q1.3 | length 13.9
  Layer 1 w1.016: L11.4@15.465,-6.84 15.465,-4.535 16.35,-3.65 24.925,-3.65 25.65,-4.375 Q1.3@25.65,-5.125
NetL16_1: L16.1 U10.19 | length 3.5
  Layer 1 w0.15: U10.19@41.8,-43.3 41.8,-44.9 v6(41.825,-44.925)
  Layer 4 w0.15: L16.1@41.79,-43.1 41.79,-44.89 v6(41.825,-44.925)
NetL17_1: L17.1 U10.23 | length 4.5
  Layer 1 w0.15: U10.23@39.8,-43.3 39.8,-45.275 39.825,-45.25 39.85,-45.275 v6(39.985,-45.275)
  Layer 4 w0.15: L17.1@39.81,-43.1 39.81,-45.265 39.825,-45.25 39.85,-45.275 v6(39.985,-45.275)
NetLED1_A: LED1.A R35.2 | length 8
  Layer 1 w0.254: LED1.A@4.735,-23.48 11.605,-23.48 11.975,-23.85 R35.2@11.975,-24.44
NetLED2_A: LED2.A R36.2 | length 1.9
  Layer 1 w0.254: LED2.A@4.735,-21.955 5.66,-21.955 R36.2@6.34,-21.275
NetLED3_A: LED3.A R39.2 | length 1.3
  Layer 1 w0.15: R39.2@62.685,-54.1 LED3.A@64,-54.1
NETPW: J3.1 L11.1 | length 3.9
  Layer 1 w1.016: J3.1@11.59,-14.46 L11.1@15.465,-14.46
NetQ1_G: Q1.1 R32.1 | length 1.3
  Layer 1 w0.508: R32.1@24.7,-8.85 Q1.1@24.7,-7.525
NetQ2_1: Q2.1 R60.2 R62.2 | length 2.6
  Layer 1 w0.15: Q2.1@56.565,-54.25 57.515,-53.3 R60.2@57.515,-53.1 R62.2@57.515,-52.075
NetQ3_1: Q3.1 R67.2 | length 12.3
  Layer 4 w0.508: R67.2@19.3,-37.45 26.025,-37.45 27.875,-39.3 Q3.1@27.875,-42.255
NetQ3_2: Q3.2 Q4.1 | length 3.7
  Layer 4 w0.508: Q3.2@27.875,-44.795 28.845,-44.795 29.25,-45.2 Q4.1@29.25,-47.35
NetQ3_3: Q3.3 R63.1 R84.1 U4.3 U5.3 | length 15.5
  Layer 1 w0.381: U4.3@24.775,-44.71 24.66,-44.825 v6(23.25,-44.825) 23.25,-43.185 22.975,-42.91 22.975,-38.91 U5.3@24.775,-37.11
  Layer 4 w0.381: Q3.3@21.585,-45.085 Q3.3@21.875,-44.795 v6@23.22,-44.795 ; v6(23.25,-44.825) 23.835,-45.41 R63.1@23.835,-46.65 R84.1@23.835,-48.175
NetQ3_4: Q3.4 R27.2 R63.2 R84.2 | length 9.2
  Layer 4 w0.381: R27.2@20.475,-47.525 20.475,-43.55 21.77,-42.255 Q3.4@21.875,-42.255 ; R27.2@20.675,-48.175 R84.2@22.415,-48.175 R63.2@22.415,-46.65
NetQ4_2: Q4.2 R68.2 | length 1.5
  Layer 4 w0.508: Q4.2@29.25,-49.25 29.585,-49.585 R68.2@29.585,-50.65
NetR8_1: R8.1 U1.2 | length 5.1
  Layer 1 w0.254: R8.1@4.228,-71.838 4.228,-72.378 4.603,-72.753 6.728,-72.753 7.228,-72.253 U1.2@7.228,-71.099
NetR8_2: R8.2 U1.5 | length 3.1
  Layer 1 w0.254: R8.2@4.228,-70.918 4.228,-70.378 4.603,-70.003 5.477,-70.003 5.728,-70.254 U1.5@5.728,-71.099
NetR16_2: R16.2 R19.1 | length 6.5
  Layer 1 w0.15: R16.2@18.29,-68.35 18.29,-68.388 18.797,-68.895 23.753,-68.895 24.26,-68.388 R19.1@24.26,-68.35
NetR23_1: R23.1 R28.1 U3.3 | length 5.9
  Layer 1 w0.381: U3.3@18.375,-59.615 20.11,-59.615 20.965,-58.76 R28.1@20.965,-56.875 R23.1@19.86,-56.875
NetR28_2: R28.2 R31.1 U3.11 | length 6.5
  Layer 1 w0.381: R31.1@22.975,-56.875 R28.2@21.885,-56.875 21.885,-59.585 22.565,-60.265 U3.11@24.275,-60.265
NetR34_1: R34.1 U8.2 U8.4 | length 4.1
  Layer 1 w0.254: U8.4@17.515,-23.785 16.355,-23.785 16.015,-23.445 16.015,-22.47 U8.2@17.515,-22.47
NetR41_2: R41.2 R46.1 | length 1
  Layer 4 w0.15: R41.2@37.85,-39.89 R46.1@37.85,-38.86
NetR49_1: R49.1 U10.24 | length 2
  Layer 1 w0.15: U10.24@39.3,-43.3 39.3,-41.385 R49.1@39.325,-41.36
NetR50_1: R50.1 U10.90 | length 2.3
  Layer 1 w0.15: U10.90@41.8,-64.75 v2@41.8,-63.325
  Layer 4 w0.15: v2@41.7,-63.125 R50.1@41.7,-62.21
  other v2: 41.725,-63.25
NetR51_1: R51.1 U10.89 | length 2.7
  Layer 1 w0.15: v2@40.688,-63.187 41.3,-63.8 U10.89@41.3,-64.75
  Layer 4 w0.15: v2@40.65,-63.125 R51.1@40.65,-62.21
  other v2: 40.7,-63.175
NetR70_1: R70.1 U2.5 | length 7.5
  Layer 1 w0.254: U2.5@16.325,-91.25 16.325,-92.275 17.925,-93.875 R70.1@22.14,-93.875
NetR71_1: R71.1 U2.6 | length 4.7
  Layer 1 w0.254: U2.6@16.825,-91.25 16.825,-92.125 17.975,-93.275 R71.1@20.19,-93.275
NetR72_1: R72.1 U2.7 | length 5.8
  Layer 1 w0.254: U2.7@17.325,-91.25 17.325,-92 18,-92.675 R72.1@22.115,-92.675
NetR73_1: R73.1 U2.8 | length 3
  Layer 1 w0.254: U2.8@17.825,-91.25 17.825,-91.8 18.1,-92.075 R73.1@20.165,-92.075
NetR74_1: R74.1 U2.9 | length 4
  Layer 1 w0.254: U2.9@18.4,-90.675 18.875,-90.675 19.675,-91.475 R74.1@22.09,-91.475
NetR75_1: R75.1 U2.10 | length 2.1
  Layer 1 w0.254: U2.10@18.4,-90.175 18.975,-90.175 19.675,-90.875 R75.1@20.165,-90.875
NetR76_1: R76.1 U2.11 | length 4
  Layer 1 w0.254: U2.11@18.4,-89.675 19.075,-89.675 19.675,-90.275 R76.1@22.115,-90.275
NetR77_1: R77.1 U2.12 | length 2
  Layer 1 w0.254: U2.12@18.4,-89.175 19.175,-89.175 19.675,-89.675 R77.1@20.165,-89.675
NetR78_1: R78.1 U2.13 | length 3.9
  Layer 1 w0.254: U2.13@18.4,-88.675 19.325,-88.675 19.725,-89.075 R78.1@22.115,-89.075
NetR79_1: R79.1 U2.14 | length 1.9
  Layer 1 w0.254: U2.14@18.4,-88.175 19.44,-88.175 19.74,-88.475 R79.1@20.165,-88.475
NetR80_1: R80.1 U2.17 | length 4.8
  Layer 1 w0.254: U2.17@17.825,-86.6 17.825,-84.525 18.725,-83.625 R80.1@19.965,-83.625 ; R80.1@20.015,-83.625 R80.1@19.965,-83.625 ; R80.1@20.015,-83.575 R80.1@19.965,-83.625
  Layer 1 w0.273: U2.17@17.795,-86.57 U2.17@17.825,-86.6
NetR81_1: R81.1 U2.18 | length 4.2
  Layer 1 w0.254: U2.18@17.325,-86.6 17.325,-83.225 17.542,-83.008 R81.1@18.065,-83.008
NetR82_1: R82.1 U2.19 | length 7.1
  Layer 1 w0.254: U2.19@16.825,-86.6 16.825,-82.925 17.342,-82.408 ; 17.358,-82.392 R82.1@20.015,-82.392
NetR83_1: R83.1 U2.20 | length 6
  Layer 1 w0.254: U2.20@16.325,-86.6 16.325,-82.625 17.125,-81.825 R83.1@18.065,-81.825
NetTP14_1: TP14.1 U11.28 | length 3
  Layer 1 w0.15: TP14.1@45.7,-94.7 46.8,-93.6 U11.28@46.8,-92.125
NetTP15_1: TP15.1 U11.31 | length 9.8
  Layer 1 w0.15: TP15.1@42.7,-94.7 42.7,-95.075 43.825,-96.2 47.079,-96.2 48.3,-94.979 U11.31@48.3,-92.125
NetTP16_1: TP16.1 U11.32 | length 13.3
  Layer 1 w0.15: TP16.1@39.7,-94.7 41.5,-96.5 47.204,-96.5 48.8,-94.904 U11.32@48.8,-92.125
NetTP17_1: TP17.1 U11.33 | length 13
  Layer 1 w0.15: U11.33@49.3,-92.125 49.3,-95.474 50.251,-96.425 56.15,-96.425 57.775,-94.8 TP17.1@57.775,-94.7
NetTP18_1: TP18.1 U11.34 | length 9.2
  Layer 1 w0.15: U11.34@49.8,-92.125 49.8,-95.55 50.375,-96.125 53.35,-96.125 TP18.1@54.775,-94.7
NetTP19_1: TP19.1 U11.35 | length 3.2
  Layer 1 w0.15: U11.35@50.3,-92.125 50.3,-93.225 TP19.1@51.775,-94.7
NRESET: C86.1 CON1.nRESET R61.2 S2.3 U10.128 | length 29.7
  Layer 1 w0.15: U10.128@52.775,-53.275 53.886,-53.275 53.979,-53.181 54.471,-53.181 55.575,-54.286 55.575,-63.1 56.75,-64.275 59.85,-64.275 60.75,-63.375 64.025,-63.375 64.775,-64.125 S2.3@64.775,-67.832 64.775,-69.2 65.115,-69.54 C86.1@65.7,-69.54 R61.2@66.75,-69.54
OUT_N: R27.1 R29.1 R30.1 R31.2 TP13.1 U3.12 | length 15.8
  Layer 1 w0.381: U3.12@24.285,-59.605 U3.12@24.275,-59.615 25.56,-59.615 25.86,-59.315 TP13.1@25.86,-59.04 ; v2(24.9,-54.8) 24.895,-54.805 R30.1@23.91,-54.805 R31.2@23.91,-56.89 25.79,-56.89 26.475,-57.575 TP13.1@26.475,-58.7
  Layer 4 w0.381: R27.1@20.25,-52.3 20.25,-54.175 20.875,-54.8 v2(24.9,-54.8)
OUT_P: R23.2 R24.2 R25.1 R26.1 TP12.1 U3.2 | length 9.6
  Layer 1 w0.381: U3.2@18.375,-58.965 16.44,-58.965 TP12.1@16.175,-58.7 16.175,-57.55 16.85,-56.875 R23.2@18.94,-56.875 R24.2@18.94,-55.85 R26.1@18.94,-53.75
P1_1: R37.1 R39.1 U10.42 | length 36
  Layer 1 w0.15: U10.42@31.325,-47.775 32.175,-47.775 32.55,-48.15 v2(33.9,-48.15) ; R37.1@60.735,-54.1 R39.1@61.765,-54.1
  Layer 1 w0.508: v7(60.75,-54.975) R37.1@60.75,-54.115
  Layer 4 w0.15: v2(33.9,-48.15) 33.975,-48.15 35.35,-49.525 35.35,-52.425 37.9,-54.975 v7(60.75,-54.975)
P1_2: R40.1 U10.43 | length 2.7
  Layer 1 w0.15: U10.43@31.325,-48.275 32.175,-48.275 32.65,-48.75 v2(32.85,-48.75)
  Layer 4 w0.15: R40.1@32.85,-49.59 v2@32.85,-48.575
P2_7: R48.2 R58.1 U10.96 | length 9.7
  Layer 1 w0.15: U10.96@44.8,-64.75 44.8,-66.225 44.8,-67.35 45.375,-67.925 49.535,-67.925 50.3,-67.16 R58.1@51.35,-67.16
P2_8: R57.2 U10.98 | length 1.5
  Layer 1 w0.15: R57.2@45.8,-66.24 U10.98@45.8,-64.75
P2_9: R59.1 U10.102 | length 1.5
  Layer 1 w0.15: R59.1@47.8,-66.24 U10.102@47.8,-64.75